# Altium PCB PCB5.PcbDoc (part 4 of 16) (continued)
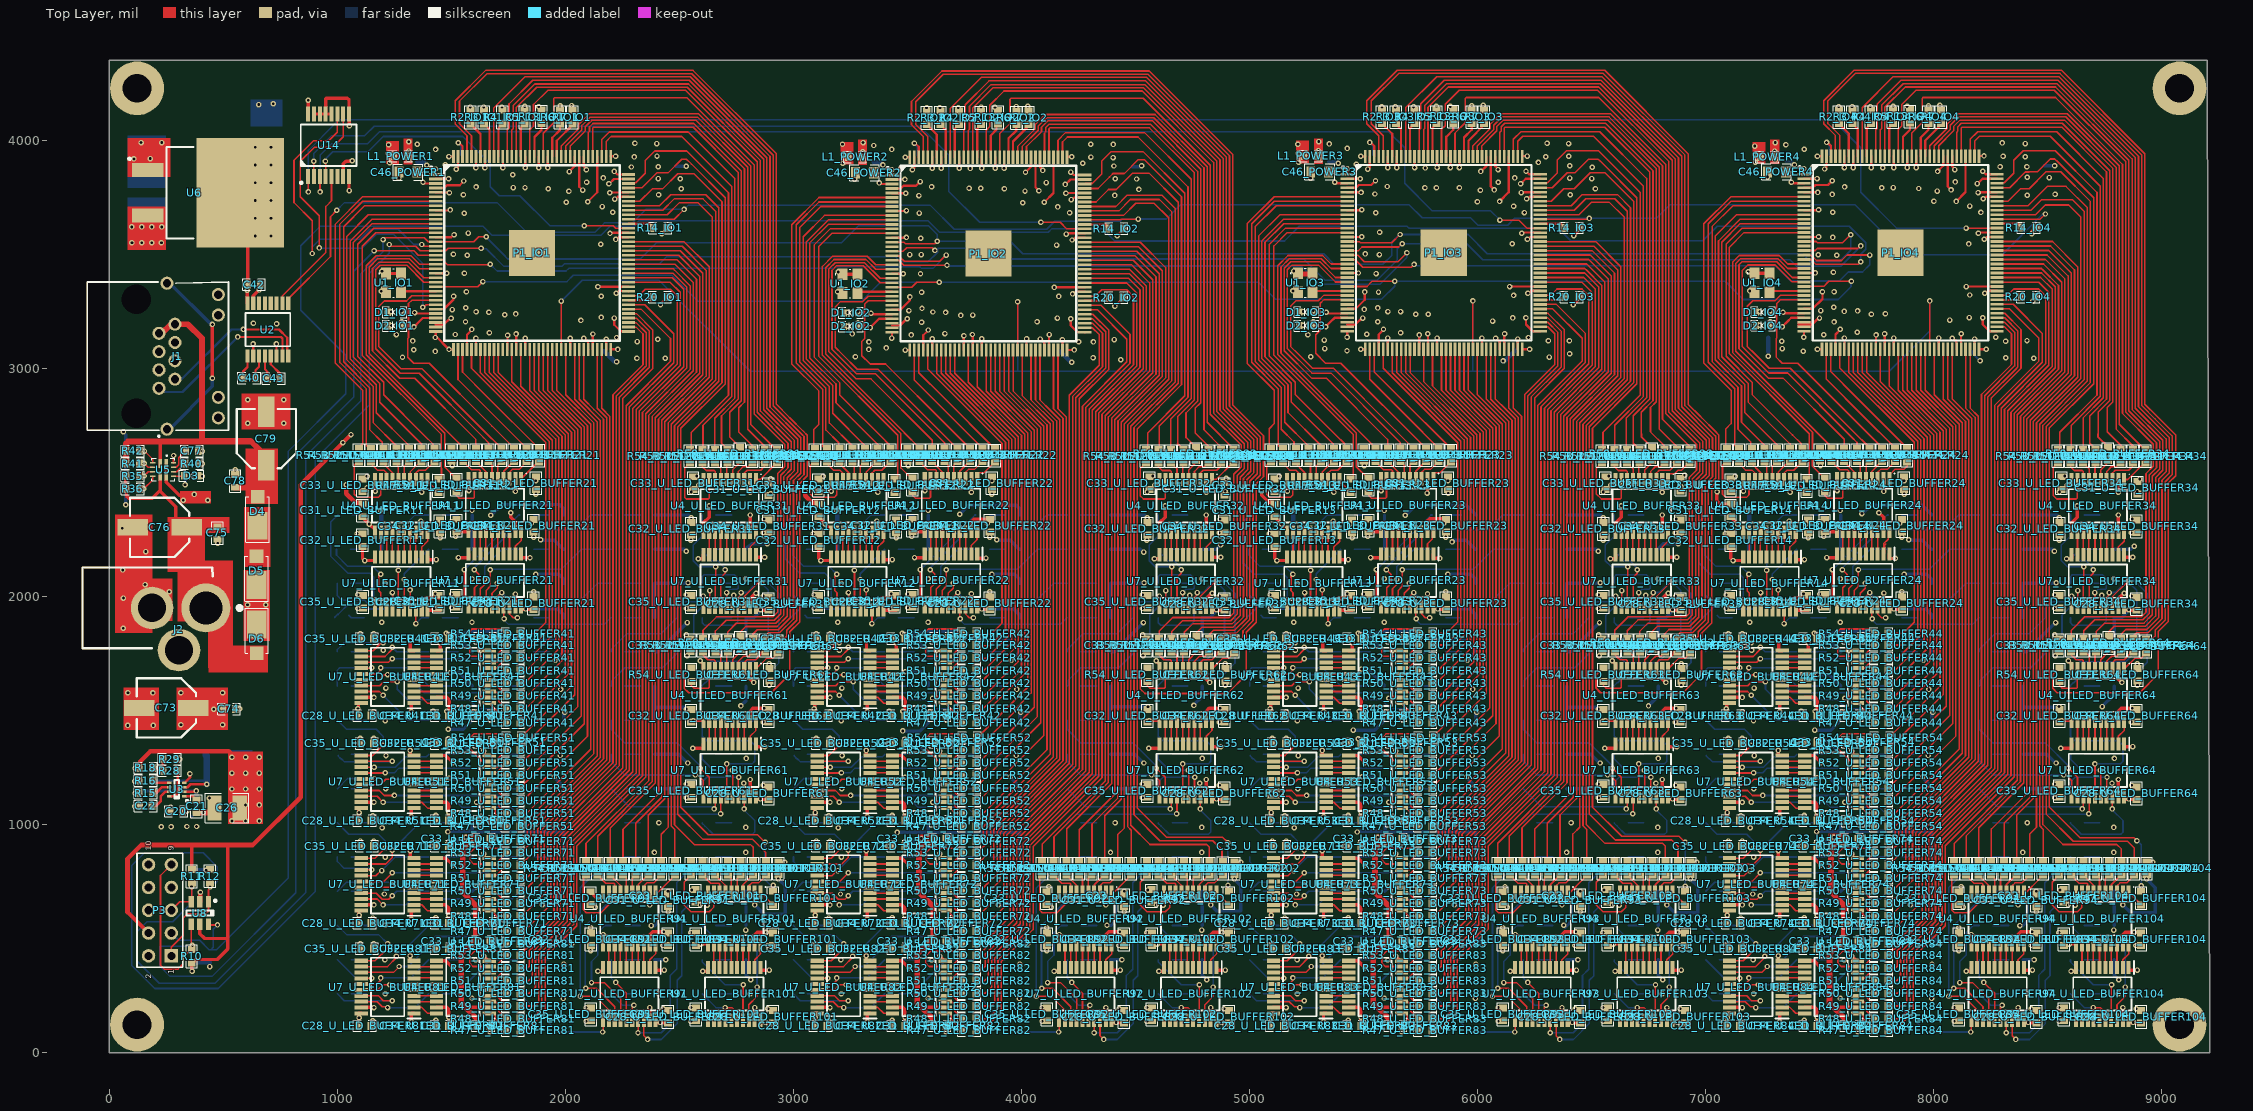
[diagram p0: Top Layer view]
## Components (designator, comment, footprint, x,y, rotation, side; value= is the part's Value field where it differs from the comment) (continued)
U4_U_LED_BUFFER23 "NTS0308" NTS0308EPWJ 5691.23,2400.5 r270 top value=8-BIT (schematic designator U4)
U4_U_LED_BUFFER24 "NTS0308" NTS0308EPWJ 7691.23,2400.5 r270 top value=8-BIT (schematic designator U4)
U4_U_LED_BUFFER31 "NTS0308" NTS0308EPWJ 2720.63,2397.16 r270 top value=8-BIT (schematic designator U4)
U4_U_LED_BUFFER32 "NTS0308" NTS0308EPWJ 4720.63,2397.16 r270 top value=8-BIT (schematic designator U4)
U4_U_LED_BUFFER33 "NTS0308" NTS0308EPWJ 6720.63,2397.16 r270 top value=8-BIT (schematic designator U4)
U4_U_LED_BUFFER34 "NTS0308" NTS0308EPWJ 8720.63,2397.16 r270 top value=8-BIT (schematic designator U4)
U4_U_LED_BUFFER41 "NTS0308" NTS0308EPWJ 1550.63,1647.16 r180 top value=8-BIT (schematic designator U4)
U4_U_LED_BUFFER42 "NTS0308" NTS0308EPWJ 3550.63,1647.16 r180 top value=8-BIT (schematic designator U4)
U4_U_LED_BUFFER43 "NTS0308" NTS0308EPWJ 5550.63,1647.16 r180 top value=8-BIT (schematic designator U4)
U4_U_LED_BUFFER44 "NTS0308" NTS0308EPWJ 7550.63,1647.16 r180 top value=8-BIT (schematic designator U4)
U4_U_LED_BUFFER51 "NTS0308" NTS0308EPWJ 1550.63,1187.16 r180 top value=8-BIT (schematic designator U4)
U4_U_LED_BUFFER52 "NTS0308" NTS0308EPWJ 3550.63,1187.16 r180 top value=8-BIT (schematic designator U4)
U4_U_LED_BUFFER53 "NTS0308" NTS0308EPWJ 5550.63,1187.16 r180 top value=8-BIT (schematic designator U4)
U4_U_LED_BUFFER54 "NTS0308" NTS0308EPWJ 7550.63,1187.16 r180 top value=8-BIT (schematic designator U4)
U4_U_LED_BUFFER61 "NTS0308" NTS0308EPWJ 2720.63,1567.16 r270 top value=8-BIT (schematic designator U4)
U4_U_LED_BUFFER62 "NTS0308" NTS0308EPWJ 4720.63,1567.16 r270 top value=8-BIT (schematic designator U4)
U4_U_LED_BUFFER63 "NTS0308" NTS0308EPWJ 6720.63,1567.16 r270 top value=8-BIT (schematic designator U4)
U4_U_LED_BUFFER64 "NTS0308" NTS0308EPWJ 8720.63,1567.16 r270 top value=8-BIT (schematic designator U4)
U4_U_LED_BUFFER71 "NTS0308" NTS0308EPWJ 1550.63,737.16 r180 top value=8-BIT (schematic designator U4)
U4_U_LED_BUFFER72 "NTS0308" NTS0308EPWJ 3550.63,737.16 r180 top value=8-BIT (schematic designator U4)
U4_U_LED_BUFFER73 "NTS0308" NTS0308EPWJ 5550.63,737.16 r180 top value=8-BIT (schematic designator U4)
U4_U_LED_BUFFER74 "NTS0308" NTS0308EPWJ 7550.63,737.16 r180 top value=8-BIT (schematic designator U4)
U4_U_LED_BUFFER81 "NTS0308" NTS0308EPWJ 1550.63,287.16 r180 top value=8-BIT (schematic designator U4)
U4_U_LED_BUFFER82 "NTS0308" NTS0308EPWJ 3550.63,287.16 r180 top value=8-BIT (schematic designator U4)
U4_U_LED_BUFFER83 "NTS0308" NTS0308EPWJ 5550.63,287.16 r180 top value=8-BIT (schematic designator U4)
U4_U_LED_BUFFER84 "NTS0308" NTS0308EPWJ 7550.63,287.16 r180 top value=8-BIT (schematic designator U4)
U4_U_LED_BUFFER91 "NTS0308" NTS0308EPWJ 2280.63,587.16 r270 top value=8-BIT (schematic designator U4)
U4_U_LED_BUFFER92 "NTS0308" NTS0308EPWJ 4280.63,587.16 r270 top value=8-BIT (schematic designator U4)
U4_U_LED_BUFFER93 "NTS0308" NTS0308EPWJ 6280.63,587.16 r270 top value=8-BIT (schematic designator U4)
U4_U_LED_BUFFER94 "NTS0308" NTS0308EPWJ 8280.63,587.16 r270 top value=8-BIT (schematic designator U4)
U4_U_LED_BUFFER101 "NTS0308" NTS0308EPWJ 2740.63,587.16 r270 top value=8-BIT (schematic designator U4)
U4_U_LED_BUFFER102 "NTS0308" NTS0308EPWJ 4740.63,587.16 r270 top value=8-BIT (schematic designator U4)
U4_U_LED_BUFFER103 "NTS0308" NTS0308EPWJ 6740.63,587.16 r270 top value=8-BIT (schematic designator U4)
U4_U_LED_BUFFER104 "NTS0308" NTS0308EPWJ 8740.63,587.16 r270 top value=8-BIT (schematic designator U4)
U5 "TPS2121" TPS2121RUXT 236.56,2556.37 r270 top
U6 "LD1085D2T33R" LD1085D2T33R 574.13,3770.31 r0 top value=3.3V
U7_U_LED_BUFFER11 "74LV540APWJ" SOP65P640X110-20N 1280.68,2057.48 r270 top value=16mA (schematic designator U7)
U7_U_LED_BUFFER12 "74LV540APWJ" SOP65P640X110-20N 3280.68,2057.48 r270 top value=16mA (schematic designator U7)
U7_U_LED_BUFFER13 "74LV540APWJ" SOP65P640X110-20N 5280.68,2057.48 r270 top value=16mA (schematic designator U7)
U7_U_LED_BUFFER14 "74LV540APWJ" SOP65P640X110-20N 7280.68,2057.48 r270 top value=16mA (schematic designator U7)
U7_U_LED_BUFFER21 "74LV540APWJ" SOP65P640X110-20N 1691.23,2070.5 r270 top value=16mA (schematic designator U7)
U7_U_LED_BUFFER22 "74LV540APWJ" SOP65P640X110-20N 3691.23,2070.5 r270 top value=16mA (schematic designator U7)
U7_U_LED_BUFFER23 "74LV540APWJ" SOP65P640X110-20N 5691.23,2070.5 r270 top value=16mA (schematic designator U7)
U7_U_LED_BUFFER24 "74LV540APWJ" SOP65P640X110-20N 7691.23,2070.5 r270 top value=16mA (schematic designator U7)
U7_U_LED_BUFFER31 "74LV540APWJ" SOP65P640X110-20N 2720.63,2067.16 r270 top value=16mA (schematic designator U7)
U7_U_LED_BUFFER32 "74LV540APWJ" SOP65P640X110-20N 4720.63,2067.16 r270 top value=16mA (schematic designator U7)
U7_U_LED_BUFFER33 "74LV540APWJ" SOP65P640X110-20N 6720.63,2067.16 r270 top value=16mA (schematic designator U7)
U7_U_LED_BUFFER34 "74LV540APWJ" SOP65P640X110-20N 8720.63,2067.16 r270 top value=16mA (schematic designator U7)
U7_U_LED_BUFFER41 "74LV540APWJ" SOP65P640X110-20N 1220.63,1647.16 r180 top value=16mA (schematic designator U7)
U7_U_LED_BUFFER42 "74LV540APWJ" SOP65P640X110-20N 3220.63,1647.16 r180 top value=16mA (schematic designator U7)
U7_U_LED_BUFFER43 "74LV540APWJ" SOP65P640X110-20N 5220.63,1647.16 r180 top value=16mA (schematic designator U7)
U7_U_LED_BUFFER44 "74LV540APWJ" SOP65P640X110-20N 7220.63,1647.16 r180 top value=16mA (schematic designator U7)
U7_U_LED_BUFFER51 "74LV540APWJ" SOP65P640X110-20N 1220.63,1187.16 r180 top value=16mA (schematic designator U7)
U7_U_LED_BUFFER52 "74LV540APWJ" SOP65P640X110-20N 3220.63,1187.16 r180 top value=16mA (schematic designator U7)
U7_U_LED_BUFFER53 "74LV540APWJ" SOP65P640X110-20N 5220.63,1187.16 r180 top value=16mA (schematic designator U7)
U7_U_LED_BUFFER54 "74LV540APWJ" SOP65P640X110-20N 7220.63,1187.16 r180 top value=16mA (schematic designator U7)
U7_U_LED_BUFFER61 "74LV540APWJ" SOP65P640X110-20N 2720.63,1237.16 r270 top value=16mA (schematic designator U7)
U7_U_LED_BUFFER62 "74LV540APWJ" SOP65P640X110-20N 4720.63,1237.16 r270 top value=16mA (schematic designator U7)
U7_U_LED_BUFFER63 "74LV540APWJ" SOP65P640X110-20N 6720.63,1237.16 r270 top value=16mA (schematic designator U7)
U7_U_LED_BUFFER64 "74LV540APWJ" SOP65P640X110-20N 8720.63,1237.16 r270 top value=16mA (schematic designator U7)
U7_U_LED_BUFFER71 "74LV540APWJ" SOP65P640X110-20N 1220.63,737.16 r180 top value=16mA (schematic designator U7)
U7_U_LED_BUFFER72 "74LV540APWJ" SOP65P640X110-20N 3220.63,737.16 r180 top value=16mA (schematic designator U7)
U7_U_LED_BUFFER73 "74LV540APWJ" SOP65P640X110-20N 5220.63,737.16 r180 top value=16mA (schematic designator U7)
U7_U_LED_BUFFER74 "74LV540APWJ" SOP65P640X110-20N 7220.63,737.16 r180 top value=16mA (schematic designator U7)
U7_U_LED_BUFFER81 "74LV540APWJ" SOP65P640X110-20N 1220.63,287.16 r180 top value=16mA (schematic designator U7)
U7_U_LED_BUFFER82 "74LV540APWJ" SOP65P640X110-20N 3220.63,287.16 r180 top value=16mA (schematic designator U7)
U7_U_LED_BUFFER83 "74LV540APWJ" SOP65P640X110-20N 5220.63,287.16 r180 top value=16mA (schematic designator U7)
U7_U_LED_BUFFER84 "74LV540APWJ" SOP65P640X110-20N 7220.63,287.16 r180 top value=16mA (schematic designator U7)
U7_U_LED_BUFFER91 "74LV540APWJ" SOP65P640X110-20N 2280.63,257.16 r270 top value=16mA (schematic designator U7)
U7_U_LED_BUFFER92 "74LV540APWJ" SOP65P640X110-20N 4280.63,257.16 r270 top value=16mA (schematic designator U7)
U7_U_LED_BUFFER93 "74LV540APWJ" SOP65P640X110-20N 6280.63,257.16 r270 top value=16mA (schematic designator U7)
U7_U_LED_BUFFER94 "74LV540APWJ" SOP65P640X110-20N 8280.63,257.16 r270 top value=16mA (schematic designator U7)
U7_U_LED_BUFFER101 "74LV540APWJ" SOP65P640X110-20N 2740.63,257.16 r270 top value=16mA (schematic designator U7)
U7_U_LED_BUFFER102 "74LV540APWJ" SOP65P640X110-20N 4740.63,257.16 r270 top value=16mA (schematic designator U7)
U7_U_LED_BUFFER103 "74LV540APWJ" SOP65P640X110-20N 6740.63,257.16 r270 top value=16mA (schematic designator U7)
U7_U_LED_BUFFER104 "74LV540APWJ" SOP65P640X110-20N 8740.63,257.16 r270 top value=16mA (schematic designator U7)
U8 "NUP4114" NUP4114HMR6T1G 397.57,611.47 r270 top value=TVS
U14 "74HC151DB,118" 74HC151DB,118 961.84,3978.48 r90 top

## Footprints (in the part's own frame and the unit in brackets; to place one, negate y for a bottom-side part, rotate by r counter-clockwise, add the part's x,y. Pads: shape width x height; smd on the part's side, far side on the other; paste and mask are expansions set on the pad)
10M04SCE144C8G [mm]
  rect 1.475x0.3 smd: 1(-10.738,8.75) 2(-10.738,8.25) 3(-10.738,7.75) 4(-10.738,7.25) 5(-10.738,6.75) 6(-10.738,6.25) 7(-10.738,5.75) 8(-10.738,5.25) 9(-10.738,4.75) 10(-10.738,4.25) 11(-10.738,3.75) 12(-10.738,3.25) 13(-10.738,2.75) 14(-10.738,2.25) 15(-10.738,1.75) 16(-10.738,1.25) 17(-10.738,0.75) 18(-10.738,0.25) 19(-10.738,-0.25) 20(-10.738,-0.75) 21(-10.738,-1.25) 22(-10.738,-1.75) 23(-10.738,-2.25) 24(-10.738,-2.75) 25(-10.738,-3.25) 26(-10.738,-3.75) 27(-10.738,-4.25) 28(-10.738,-4.75) 29(-10.738,-5.25) 30(-10.738,-5.75) 31(-10.738,-6.25) 32(-10.738,-6.75) 33(-10.738,-7.25) 34(-10.738,-7.75) 35(-10.738,-8.25) 36(-10.738,-8.75) 73(10.738,-8.75) 74(10.738,-8.25) 75(10.738,-7.75) 76(10.738,-7.25) 77(10.738,-6.75) 78(10.738,-6.25) 79(10.738,-5.75) 80(10.738,-5.25) 81(10.738,-4.75) 82(10.738,-4.25) 83(10.738,-3.75) 84(10.738,-3.25) 85(10.738,-2.75) 86(10.738,-2.25) 87(10.738,-1.75) 88(10.738,-1.25) 89(10.738,-0.75) 90(10.738,-0.25) 91(10.738,0.25) 92(10.738,0.75) 93(10.738,1.25) 94(10.738,1.75) 95(10.738,2.25) 96(10.738,2.75) 97(10.738,3.25) 98(10.738,3.75) 99(10.738,4.25) 100(10.738,4.75) 101(10.738,5.25) 102(10.738,5.75) 103(10.738,6.25) 104(10.738,6.75) 105(10.738,7.25) 106(10.738,7.75) 107(10.738,8.25) 108(10.738,8.75)
  rect 0.3x1.475 smd: 37(-8.75,-10.738) 38(-8.25,-10.738) 39(-7.75,-10.738) 40(-7.25,-10.738) 41(-6.75,-10.738) 42(-6.25,-10.738) 43(-5.75,-10.738) 44(-5.25,-10.738) 45(-4.75,-10.738) 46(-4.25,-10.738) 47(-3.75,-10.738) 48(-3.25,-10.738) 49(-2.75,-10.738) 50(-2.25,-10.738) 51(-1.75,-10.738) 52(-1.25,-10.738) 53(-0.75,-10.738) 54(-0.25,-10.738) 55(0.25,-10.738) 56(0.75,-10.738) 57(1.25,-10.738) 58(1.75,-10.738) 59(2.25,-10.738) 60(2.75,-10.738) 61(3.25,-10.738) 62(3.75,-10.738) 63(4.25,-10.738) 64(4.75,-10.738) 65(5.25,-10.738) 66(5.75,-10.738) 67(6.25,-10.738) 68(6.75,-10.738) 69(7.25,-10.738) 70(7.75,-10.738) 71(8.25,-10.738) 72(8.75,-10.738) 109(8.75,10.738) 110(8.25,10.738) 111(7.75,10.738) 112(7.25,10.738) 113(6.75,10.738) 114(6.25,10.738) 115(5.75,10.738) 116(5.25,10.738) 117(4.75,10.738) 118(4.25,10.738) 119(3.75,10.738) 120(3.25,10.738) 121(2.75,10.738) 122(2.25,10.738) 123(1.75,10.738) 124(1.25,10.738) 125(0.75,10.738) 126(0.25,10.738) 127(-0.25,10.738) 128(-0.75,10.738) 129(-1.25,10.738) 130(-1.75,10.738) 131(-2.25,10.738) 132(-2.75,10.738) 133(-3.25,10.738) 134(-3.75,10.738) 135(-4.25,10.738) 136(-4.75,10.738) 137(-5.25,10.738) 138(-5.75,10.738) 139(-6.25,10.738) 140(-6.75,10.738) 141(-7.25,10.738) 142(-7.75,10.738) 143(-8.25,10.738) 144(-8.75,10.738)
  rect 5.15x5.15 smd: 145(0,0)
  silkscreen extent -11.35,-9.78 9.78,9.78, body extent -11,-11 11,11, height 1.65
74HC151DB,118 [mm]
  rect 1.675x0.45 smd: 1(-3.488,2.275) 2(-3.488,1.625) 3(-3.488,0.975) 4(-3.488,0.325) 5(-3.488,-0.325) 6(-3.488,-0.975) 7(-3.488,-1.625) 8(-3.488,-2.275) 9(3.488,-2.275) 10(3.488,-1.625) 11(3.488,-0.975) 12(3.488,-0.325) 13(3.488,0.325) 14(3.488,0.975) 15(3.488,1.625) 16(3.488,2.275)
  silkscreen extent -4.32,-3.1 2.3,3.17, body extent -3.88,-3.1 3.88,3.1, height 2
0603C [mm]
  rect 0.762x0.9 smd: 1(-0.7,0) 2(0.7,0)
  silkscreen extent -1.27,-0.64 1.27,0.64, body extent -0.8,-0.4 0.8,0.4, height 0.93
0603L [mil]
  rect 30x35 smd: 1(30,0) 2(-30,0)
  silkscreen extent -50,-25 50,25, body extent -31,-16 32,16, height 31
0603R [mil]
  rect 30x35 smd: 1(30,0) 2(-30,0)
  silkscreen extent -50,-25 50,25, body extent -31,-17 31,17, height 18
0805C [mm]
  rect 1x1.25 smd: 1(-1,0) 2(1,0)
  silkscreen extent -1.65,-0.89 1.65,0.89, body extent -1,-0.6 1,0.6, height 0.91
1210C [mm]
  rect 1.6x2.794 smd: 1(-1.4,0) 2(1.4,0)
  silkscreen extent -2.41,-1.65 2.41,1.65, body extent -1.6,-1.25 1.6,1.25, height 2.5
ASE-25.000MHZ-LC-T [mm]
  rect 1.3x1.1 smd: 1(-1.05,-0.825) 2(1.05,-0.825) 3(1.05,0.825) 4(-1.05,0.825)
  silkscreen extent -1.6,-1.65 1.6,1.25, body extent -1.6,-1.26 1.6,1.26, height 1.1
EEE-FN1J100L [mm]
  rect 3.4x1.8 smd: 1(-3,0) 2(3,0)
  silkscreen extent -3.3,-3.3 3.3,3.3, body extent -3.9,-3.4 3.9,3.4, height 6.1
HDR2X5 [mm] "Connector; Header; 5x2 Position"
  rect 1.5x1.5 hole 0.9: 1(0,0)
  round 1.5 hole 0.9: 2(0,2.54) 3(2.54,0) 4(2.54,2.54) 5(5.08,0) 6(5.08,2.54) 7(7.62,0) 8(7.62,2.54) 9(10.16,0) 10(10.16,2.54)
  silkscreen extent -1.27,-1.27 11.43,3.81
IHLP1616BZER2R2M5A [mil]
  rect 90x120 smd: 1(0,0) 2(157.48,0)
  silkscreen extent -10,-85 165,85
LD1085D2T33R [mm]
  rect 3.5x1.6 smd: 1(-10.275,2.54) 3(-10.275,-2.54)
  rect 9.75x12.2 smd: 4(0,0)
  silkscreen extent -12.39,-5.1 -5.2,5.1, body extent -10.41,-3.25 -0.71,3.33, height 2.3
LED_0603 [mm]
  rect 0.7x0.8 smd: 1(-0.8,0) 2(0.8,0)
  silkscreen extent -1.35,-0.6 1.35,0.6, body extent -0.8,-0.4 0.8,0.4, height 0.75
MAX3232CPWR [mm]
  rect 1.475x0.45 smd: 1(-2.938,2.275) 2(-2.938,1.625) 3(-2.938,0.975) 4(-2.938,0.325) 5(-2.938,-0.325) 6(-2.938,-0.975) 7(-2.938,-1.625) 8(-2.938,-2.275) 9(2.938,-2.275) 10(2.938,-1.625) 11(2.938,-0.975) 12(2.938,-0.325) 13(2.938,0.325) 14(2.938,0.975) 15(2.938,1.625) 16(2.938,2.275)
  silkscreen extent -1.85,-2.5 1.85,2.5, body extent -3.2,-2.5 3.2,2.5, height 1.2
MP2333HGTL-P [mm]
  rect 0.475x0.3 smd: 1(-0.838,0.75) 2(-0.838,0.25) 3(-0.838,-0.25) 4(-0.838,-0.75) 5(0.838,-0.75) 6(0.838,-0.25) 7(0.838,0.25) 8(0.838,0.75)
  silkscreen extent -1.27,-1.05 0.25,1.42, body extent -0.8,-1.05 0.8,1.05, height 0.6
NTS0308EPWJ [mm]
  rect 1.475x0.45 smd: 1(-2.938,2.925) 2(-2.938,2.275) 3(-2.938,1.625) 4(-2.938,0.975) 5(-2.938,0.325) 6(-2.938,-0.325) 7(-2.938,-0.975) 8(-2.938,-1.625) 9(-2.938,-2.275) 10(-2.938,-2.925) 11(2.938,-2.925) 12(2.938,-2.275) 13(2.938,-1.625) 14(2.938,-0.975) 15(2.938,-0.325) 16(2.938,0.325) 17(2.938,0.975) 18(2.938,1.625) 19(2.938,2.275) 20(2.938,2.925)
  silkscreen extent -3.53,-3.25 1.85,3.5, body extent -3.2,-3.25 3.2,3.25, height 1.1
NUP4114HMR6T1G [mm]
  rect 1.25x0.6 smd: 1(-1.25,0.95) 2(-1.25,0) 3(-1.25,-0.95) 4(1.25,-0.95) 5(1.25,0) 6(1.25,0.95)
  silkscreen extent -1.5,-1.5 0.28,1.83, body extent -1.38,-1.5 1.38,1.5, height 1.1
PJ002BH [mm]
  round 5.46 hole 3.64: 1(0,0)
  round 4.74 hole 3.16: 2(6,0) 3(3,4.7)
  silkscreen extent -4,-4.5 13.75,4.5, body extent -0.73,-4.57 13.67,4.83, height 11.36
RJHSE5381 [mm]
  round 1.462 hole 0.94: 1(3.501,0.125) 2(2.481,1.905) 3(1.461,0.125) 4(0.441,1.905) 5(-0.579,0.125) 6(-1.599,1.905) 7(-2.619,0.125) 8(-3.639,1.905) 9(6.801,6.735) 10(4.511,6.735) 11(-4.649,6.735) 12(-6.939,6.735) MH1(-8.199,1.015) MH2(8.061,1.015)
  round 1.65 hole 3.3 unplated: MH3(-6.419,-2.415) MH4(6.281,-2.415)
  silkscreen extent -8.32,-7.88 8.93,7.88, body extent -8.57,-7.88 8.43,7.88, height 13.1
SOP65P640X110-20N [mm]
  rect 1.475x0.45 smd: 1(-2.938,2.925) 2(-2.938,2.275) 3(-2.938,1.625) 4(-2.938,0.975) 5(-2.938,0.325) 6(-2.938,-0.325) 7(-2.938,-0.975) 8(-2.938,-1.625) 9(-2.938,-2.275) 10(-2.938,-2.925) 11(2.938,-2.925) 12(2.938,-2.275) 13(2.938,-1.625) 14(2.938,-0.975) 15(2.938,-0.325) 16(2.938,0.325) 17(2.938,0.975) 18(2.938,1.625) 19(2.938,2.275) 20(2.938,2.925)
  silkscreen extent -3.67,-3.25 1.85,3.5, body extent -3.2,-3.25 3.2,3.25, height 1.1
TPS2121RUXT [mm]
  rect 1.05x0.4 smd: 1(-0.675,0.35) 2(-0.675,-0.35) 7(0.675,-0.35) 8(0.675,0.35)
  rect 0.2x0.6 smd: 3(-0.75,-1.15) 4(-0.25,-1.15) 5(0.25,-1.15) 6(0.75,-1.15) 9(0.75,1.15) 10(0.25,1.15) 11(-0.25,1.15) 12(-0.75,1.15)
  silkscreen extent -1.6,-1.27 1.27,1.27, body extent -1,-1.25 1,1.25, height 1.1
V8PAM10SHM3H [mm]
  rect 3.1x2.2 smd: 1(-1.095,0)
  rect 1.5x1.52 smd: 2(2.125,0)
  silkscreen extent -2.92,-1.3 2.12,1.3, body extent -2.42,-1.3 2.73,1.3, height 1.1

## Part data
C1_IO1 C1_IO2 C1_IO3 C1_IO4 C4_POWER1 C4_POWER2 C4_POWER3 C4_POWER4 C5_POWER1 C5_POWER2 C5_POWER3 C5_POWER4 C6_POWER1 C6_POWER2 C6_POWER3 C6_POWER4 C9_POWER1 C9_POWER2 C9_POWER3 C9_POWER4 C12_POWER1 C12_POWER2 C12_POWER3 C12_POWER4 C13_POWER1 C13_POWER2 C13_POWER3 C13_POWER4 C15_POWER1 C15_POWER2 C15_POWER3 C15_POWER4 C16_POWER1 C16_POWER2 C16_POWER3 C16_POWER4 C17_POWER1 C17_POWER2 C17_POWER3 C17_POWER4 C23_POWER1 C23_POWER2 C23_POWER3 C23_POWER4 C24_POWER1 C24_POWER2 C24_POWER3 C24_POWER4 C28_U_LED_BUFFER11 C28_U_LED_BUFFER12 C28_U_LED_BUFFER13 C28_U_LED_BUFFER14 C28_U_LED_BUFFER21 C28_U_LED_BUFFER22 C28_U_LED_BUFFER23 C28_U_LED_BUFFER24 C28_U_LED_BUFFER31 C28_U_LED_BUFFER32 C28_U_LED_BUFFER33 C28_U_LED_BUFFER34 C28_U_LED_BUFFER41 C28_U_LED_BUFFER42 C28_U_LED_BUFFER43 C28_U_LED_BUFFER44 C28_U_LED_BUFFER51 C28_U_LED_BUFFER52 C28_U_LED_BUFFER53 C28_U_LED_BUFFER54 C28_U_LED_BUFFER61 C28_U_LED_BUFFER62 C28_U_LED_BUFFER63 C28_U_LED_BUFFER64 C28_U_LED_BUFFER71 C28_U_LED_BUFFER72 C28_U_LED_BUFFER73 C28_U_LED_BUFFER74 C28_U_LED_BUFFER81 C28_U_LED_BUFFER82 C28_U_LED_BUFFER83 C28_U_LED_BUFFER84 C28_U_LED_BUFFER91 C28_U_LED_BUFFER92 C28_U_LED_BUFFER93 C28_U_LED_BUFFER94 C28_U_LED_BUFFER101 C28_U_LED_BUFFER102 C28_U_LED_BUFFER103 C28_U_LED_BUFFER104 C31_U_LED_BUFFER11 C31_U_LED_BUFFER12 C31_U_LED_BUFFER13 C31_U_LED_BUFFER14 C31_U_LED_BUFFER21 C31_U_LED_BUFFER22 C31_U_LED_BUFFER23 C31_U_LED_BUFFER24 C31_U_LED_BUFFER31 C31_U_LED_BUFFER32 C31_U_LED_BUFFER33 C31_U_LED_BUFFER34 C31_U_LED_BUFFER41 C31_U_LED_BUFFER42 C31_U_LED_BUFFER43 C31_U_LED_BUFFER44 C31_U_LED_BUFFER51 C31_U_LED_BUFFER52 C31_U_LED_BUFFER53 C31_U_LED_BUFFER54 C31_U_LED_BUFFER61 C31_U_LED_BUFFER62 C31_U_LED_BUFFER63 C31_U_LED_BUFFER64 C31_U_LED_BUFFER71 C31_U_LED_BUFFER72 C31_U_LED_BUFFER73 C31_U_LED_BUFFER74 C31_U_LED_BUFFER81 C31_U_LED_BUFFER82 C31_U_LED_BUFFER83 C31_U_LED_BUFFER84 C31_U_LED_BUFFER91 C31_U_LED_BUFFER92 C31_U_LED_BUFFER93 C31_U_LED_BUFFER94 C31_U_LED_BUFFER101 C31_U_LED_BUFFER102 C31_U_LED_BUFFER103 C31_U_LED_BUFFER104 C32_U_LED_BUFFER11 C32_U_LED_BUFFER12 C32_U_LED_BUFFER13 C32_U_LED_BUFFER14 C32_U_LED_BUFFER21 C32_U_LED_BUFFER22 C32_U_LED_BUFFER23 C32_U_LED_BUFFER24 C32_U_LED_BUFFER31 C32_U_LED_BUFFER32 C32_U_LED_BUFFER33 C32_U_LED_BUFFER34 C32_U_LED_BUFFER41 C32_U_LED_BUFFER42 C32_U_LED_BUFFER43 C32_U_LED_BUFFER44 C32_U_LED_BUFFER51 C32_U_LED_BUFFER52 C32_U_LED_BUFFER53 C32_U_LED_BUFFER54 C32_U_LED_BUFFER61 C32_U_LED_BUFFER62 C32_U_LED_BUFFER63 C32_U_LED_BUFFER64 C32_U_LED_BUFFER71 C32_U_LED_BUFFER72 C32_U_LED_BUFFER73 C32_U_LED_BUFFER74 C32_U_LED_BUFFER81 C32_U_LED_BUFFER82 C32_U_LED_BUFFER83 C32_U_LED_BUFFER84 C32_U_LED_BUFFER91 C32_U_LED_BUFFER92 C32_U_LED_BUFFER93 C32_U_LED_BUFFER94 C32_U_LED_BUFFER101 C32_U_LED_BUFFER102 C32_U_LED_BUFFER103 C32_U_LED_BUFFER104 C45_POWER1 C45_POWER2 C45_POWER3 C45_POWER4 C48_POWER1 C48_POWER2 C48_POWER3 C48_POWER4 C49_POWER1 C49_POWER2 C49_POWER3 C49_POWER4 C51_POWER1 C51_POWER2 C51_POWER3 C51_POWER4 C52_POWER1 C52_POWER2 C52_POWER3 C52_POWER4 C57_POWER1 C57_POWER2 C57_POWER3 C57_POWER4 C58_POWER1 C58_POWER2 C58_POWER3 C58_POWER4 C59_POWER1 C59_POWER2 C59_POWER3 C59_POWER4 C60_POWER1 C60_POWER2 C60_POWER3 C60_POWER4 C61_POWER1 C61_POWER2 C61_POWER3 C61_POWER4 C62_POWER1 C62_POWER2 C62_POWER3 C62_POWER4 C64_POWER1 C64_POWER2 C64_POWER3 C64_POWER4 C65_POWER1 C65_POWER2 C65_POWER3 C65_POWER4 C66_POWER1 C66_POWER2 C66_POWER3 C66_POWER4 C67_POWER1 C67_POWER2 C67_POWER3 C67_POWER4: library part Cap, "Multilayer Ceramic Capacitors MLCC - SMD/SMT 0603 16VDC 0.1uF 10% X7R AEC-Q200", Mfr="Taiyo Yuden", Mfr Part No=EMK107B7104KAHT, Package=0603, PRICE=0.101, Stockiest=MOUSER, Stockiest Part No=963-EMK107B7104KAHT
C2_POWER1 C2_POWER2 C2_POWER3 C2_POWER4 C3_POWER1 C3_POWER2 C3_POWER3 C3_POWER4 C53_POWER1 C53_POWER2 C53_POWER3 C53_POWER4: library part Cap, "Multilayer Ceramic Capacitors MLCC - SMD/SMT 16V 0.01uF X7R 0603 10% AEC-Q200", Mfr=KEMET, Mfr Part No=C0603C103K4RECAUTO, Package=0603, PRICE=0.151, Stockiest=MOUSER, Stockiest Part No=80-C0603C103K4RECAUT
C7_POWER1 C7_POWER2 C7_POWER3 C7_POWER4 C47_POWER1 C47_POWER2 C47_POWER3 C47_POWER4 C54_POWER1 C54_POWER2 C54_POWER3 C54_POWER4 C68_POWER1 C68_POWER2 C68_POWER3 C68_POWER4: library part Cap, "Multilayer Ceramic Capacitors MLCC - SMD/SMT 16V 0.47uF 0603 X7R 5% AEC-Q200", Mfr=KEMET, Mfr Part No=C0603C474J4RACAUTO, Package=0603, PRICE=0.444, Stockiest=MOUSER, Stockiest Part No=80-C0603C474J4RAUTO
C10_POWER1 C10_POWER2 C10_POWER3 C10_POWER4 C46_POWER1 C46_POWER2 C46_POWER3 C46_POWER4 C55_POWER1 C55_POWER2 C55_POWER3 C55_POWER4 C69_POWER1 C69_POWER2 C69_POWER3 C69_POWER4 C70_POWER1 C70_POWER2 C70_POWER3 C70_POWER4: library part Cap, "Multilayer Ceramic Capacitors MLCC - SMD/SMT 0805 25VDC 10uF 20% X5R", Mfr="Taiyo Yuden", Mfr Part No=TMK212BBJ106MG-T, Package=0805, PRICE=0.232, Stockiest=MOUSER, Stockiest Part No=963-TMK212BBJ106MG-T
C11_POWER1 C11_POWER2 C11_POWER3 C11_POWER4 C56_POWER1 C56_POWER2 C56_POWER3 C56_POWER4 C71_POWER1 C71_POWER2 C71_POWER3 C71_POWER4 C72_POWER1 C72_POWER2 C72_POWER3 C72_POWER4: library part Cap, "Multilayer Ceramic Capacitors MLCC - SMD/SMT 1210 25VDC 22uF 20% X7R AEC-Q200", Mfr=TDK, Mfr Part No=C1608X5R1A226M080AC, Package=0603, PRICE=0.413, Stockiest=MOUSER, Stockiest Part No=810-C1608X5R1A226M
C18: library part Cap, "Multilayer Ceramic Capacitors MLCC - SMD/SMT 16volts 1uF X7R 10%", Mfr=KEMET, Mfr Part No=C0603C105K4RAC7411, Package=0603, PRICE=0.101, Stockiest=MOUSER, Stockiest Part No=80-C0603C105K4RLR
C19 C26 C27 C29 C30: library part Cap, "Multilayer Ceramic Capacitors MLCC - SMD/SMT 1210 25VDC 22uF 20% X7R AEC-Q200", Mfr="Taiyo Yuden", Mfr Part No=TMK325B7226MMHP, Package=1210, PRICE=0.807, Stockiest=MOUSER, Stockiest Part No=963-TMK325B7226MMHP
C20 C40 C41 C42 C43 C44: library part Cap, "Multilayer Ceramic Capacitors MLCC - SMD/SMT 50V 0.1uF 0603 X7R 20%", Mfr=KEMET, Mfr Part No=C0603C104M5RACTU, Package=0603, PRICE=0.101, Stockiest=MOUSER, Stockiest Part No=80-C0603C104M5R
C21: library part Cap, "Multilayer Ceramic Capacitors MLCC - SMD/SMT 63V 1000pF 0603 X7R 10% AEC-Q200", Mfr=KEMET, Mfr Part No=80-C0603C102KMREAUTO, Package=0603, PRICE=0.201, Stockiest=MOUSER, Stockiest Part No=C0603C102KMRECAUTO
C22: library part Cap, "Multilayer Ceramic Capacitors MLCC - SMD/SMT 0603 50VDC 6.8nF 5% C0G AEC-Q200", Mfr=TDK, Mfr Part No=CGA3E2C0G1H682J080AE, Package=0603, PRICE=0.363, Stockiest=MOUSER, Stockiest Part No=810-CGA3E2C0G1H682J8
C25 C36 C37 C38 C39: library part Cap, "Multilayer Ceramic Capacitors MLCC - SMD/SMT 50V 10pF 0603 C0G 5% AEC-Q200", Mfr=KEMET, Mfr Part No=C0603C100J5GACAUTO, Package=0603, PRICE=0.192, Stockiest=MOUSER, Stockiest Part No=80-C0603C100J5GAUTO
C33_U_LED_BUFFER11 C33_U_LED_BUFFER12 C33_U_LED_BUFFER13 C33_U_LED_BUFFER14 C33_U_LED_BUFFER21 C33_U_LED_BUFFER22 C33_U_LED_BUFFER23 C33_U_LED_BUFFER24 C33_U_LED_BUFFER31 C33_U_LED_BUFFER32 C33_U_LED_BUFFER33 C33_U_LED_BUFFER34 C33_U_LED_BUFFER41 C33_U_LED_BUFFER42 C33_U_LED_BUFFER43 C33_U_LED_BUFFER44 C33_U_LED_BUFFER51 C33_U_LED_BUFFER52 C33_U_LED_BUFFER53 C33_U_LED_BUFFER54 C33_U_LED_BUFFER61 C33_U_LED_BUFFER62 C33_U_LED_BUFFER63 C33_U_LED_BUFFER64 C33_U_LED_BUFFER71 C33_U_LED_BUFFER72 C33_U_LED_BUFFER73 C33_U_LED_BUFFER74 C33_U_LED_BUFFER81 C33_U_LED_BUFFER82 C33_U_LED_BUFFER83 C33_U_LED_BUFFER84 C33_U_LED_BUFFER91 C33_U_LED_BUFFER92 C33_U_LED_BUFFER93 C33_U_LED_BUFFER94 C33_U_LED_BUFFER101 C33_U_LED_BUFFER102 C33_U_LED_BUFFER103 C33_U_LED_BUFFER104 C34_U_LED_BUFFER11 C34_U_LED_BUFFER12 C34_U_LED_BUFFER13 C34_U_LED_BUFFER14 C34_U_LED_BUFFER21 C34_U_LED_BUFFER22 C34_U_LED_BUFFER23 C34_U_LED_BUFFER24 C34_U_LED_BUFFER31 C34_U_LED_BUFFER32 C34_U_LED_BUFFER33 C34_U_LED_BUFFER34 C34_U_LED_BUFFER41 C34_U_LED_BUFFER42 C34_U_LED_BUFFER43 C34_U_LED_BUFFER44 C34_U_LED_BUFFER51 C34_U_LED_BUFFER52 C34_U_LED_BUFFER53 C34_U_LED_BUFFER54 C34_U_LED_BUFFER61 C34_U_LED_BUFFER62 C34_U_LED_BUFFER63 C34_U_LED_BUFFER64 C34_U_LED_BUFFER71 C34_U_LED_BUFFER72 C34_U_LED_BUFFER73 C34_U_LED_BUFFER74 C34_U_LED_BUFFER81 C34_U_LED_BUFFER82 C34_U_LED_BUFFER83 C34_U_LED_BUFFER84 C34_U_LED_BUFFER91 C34_U_LED_BUFFER92 C34_U_LED_BUFFER93 C34_U_LED_BUFFER94 C34_U_LED_BUFFER101 C34_U_LED_BUFFER102 C34_U_LED_BUFFER103 C34_U_LED_BUFFER104 C35_U_LED_BUFFER11 C35_U_LED_BUFFER12 C35_U_LED_BUFFER13 C35_U_LED_BUFFER14 C35_U_LED_BUFFER21 C35_U_LED_BUFFER22 C35_U_LED_BUFFER23 C35_U_LED_BUFFER24 C35_U_LED_BUFFER31 C35_U_LED_BUFFER32 C35_U_LED_BUFFER33 C35_U_LED_BUFFER34 C35_U_LED_BUFFER41 C35_U_LED_BUFFER42 C35_U_LED_BUFFER43 C35_U_LED_BUFFER44 C35_U_LED_BUFFER51 C35_U_LED_BUFFER52 C35_U_LED_BUFFER53 C35_U_LED_BUFFER54 C35_U_LED_BUFFER61 C35_U_LED_BUFFER62 C35_U_LED_BUFFER63 C35_U_LED_BUFFER64 C35_U_LED_BUFFER71 C35_U_LED_BUFFER72 C35_U_LED_BUFFER73 C35_U_LED_BUFFER74 C35_U_LED_BUFFER81 C35_U_LED_BUFFER82 C35_U_LED_BUFFER83 C35_U_LED_BUFFER84 C35_U_LED_BUFFER91 C35_U_LED_BUFFER92 C35_U_LED_BUFFER93 C35_U_LED_BUFFER94 C35_U_LED_BUFFER101 C35_U_LED_BUFFER102 C35_U_LED_BUFFER103 C35_U_LED_BUFFER104: library part Cap, "Multilayer Ceramic Capacitors MLCC - SMD/SMT 16volts 1uF X7R 10%", Mfr=KEMET, Mfr Part No=C0603C105K4RACTU, Package=0603, PRICE=0.101, Stockiest=MOUSER, Stockiest Part No=80-C0603C105K4R
C73 C76 C79: library part "Cap Pol1", "Polarized Capacitor (Radial)", Mfr=Panasonic, Mfr Part No=EEE-FN1J100L, Package=SMD, PRICE=0.484, Stockiest=MOUSER, Stockiest Part No=667-EEE-FN1J100L
C74 C75 C77 C78: library part Cap, "Multilayer Ceramic Capacitors MLCC - SMD/SMT 0603 2.2uF 20% 50VDC X5R", Mfr="Murata Electronics", Mfr Part No=GRM188R61H225ME11J, Package=0603, PRICE=0.333, Stockiest=MOUSER, Stockiest Part No=81-GRM188R61H225ME1J
D1_IO1 D1_IO2 D1_IO3 D1_IO4 D2_IO1 D2_IO2 D2_IO3 D2_IO4 D3: library part LED, "Standard LEDs - SMD Red 631nm 14mcd 5mA", Mfr=Lite-On, Mfr Part No=LTST-C193KRKT-5A, Package=0603, PRICE=0.393, Stockiest=MOUSER, Stockiest Part No=859-LTSTC193KRKT5A
D4 D5 D6: "Schottky Diodes & Rectifiers 8A 100V", Mfr="Vishay General Semiconductor", Mfr Part No=V8PAM10S-M3/H, PRICE=0.39, Stockiest=MOUSER, Stockiest Part No=78-V8PAM10S-M3/H